# Altium PCB PLDISPLAYMASTER.PcbDoc (part 2 of 2)
Units mm, origin at the board's own origin, x right, y up, seen from the top; angles counter-clockwise.
Board outline 119 x 145 mm, 2 copper layers (Top Layer, Bottom Layer); 125 components, 100 nets, 433 pads, 175 vias.
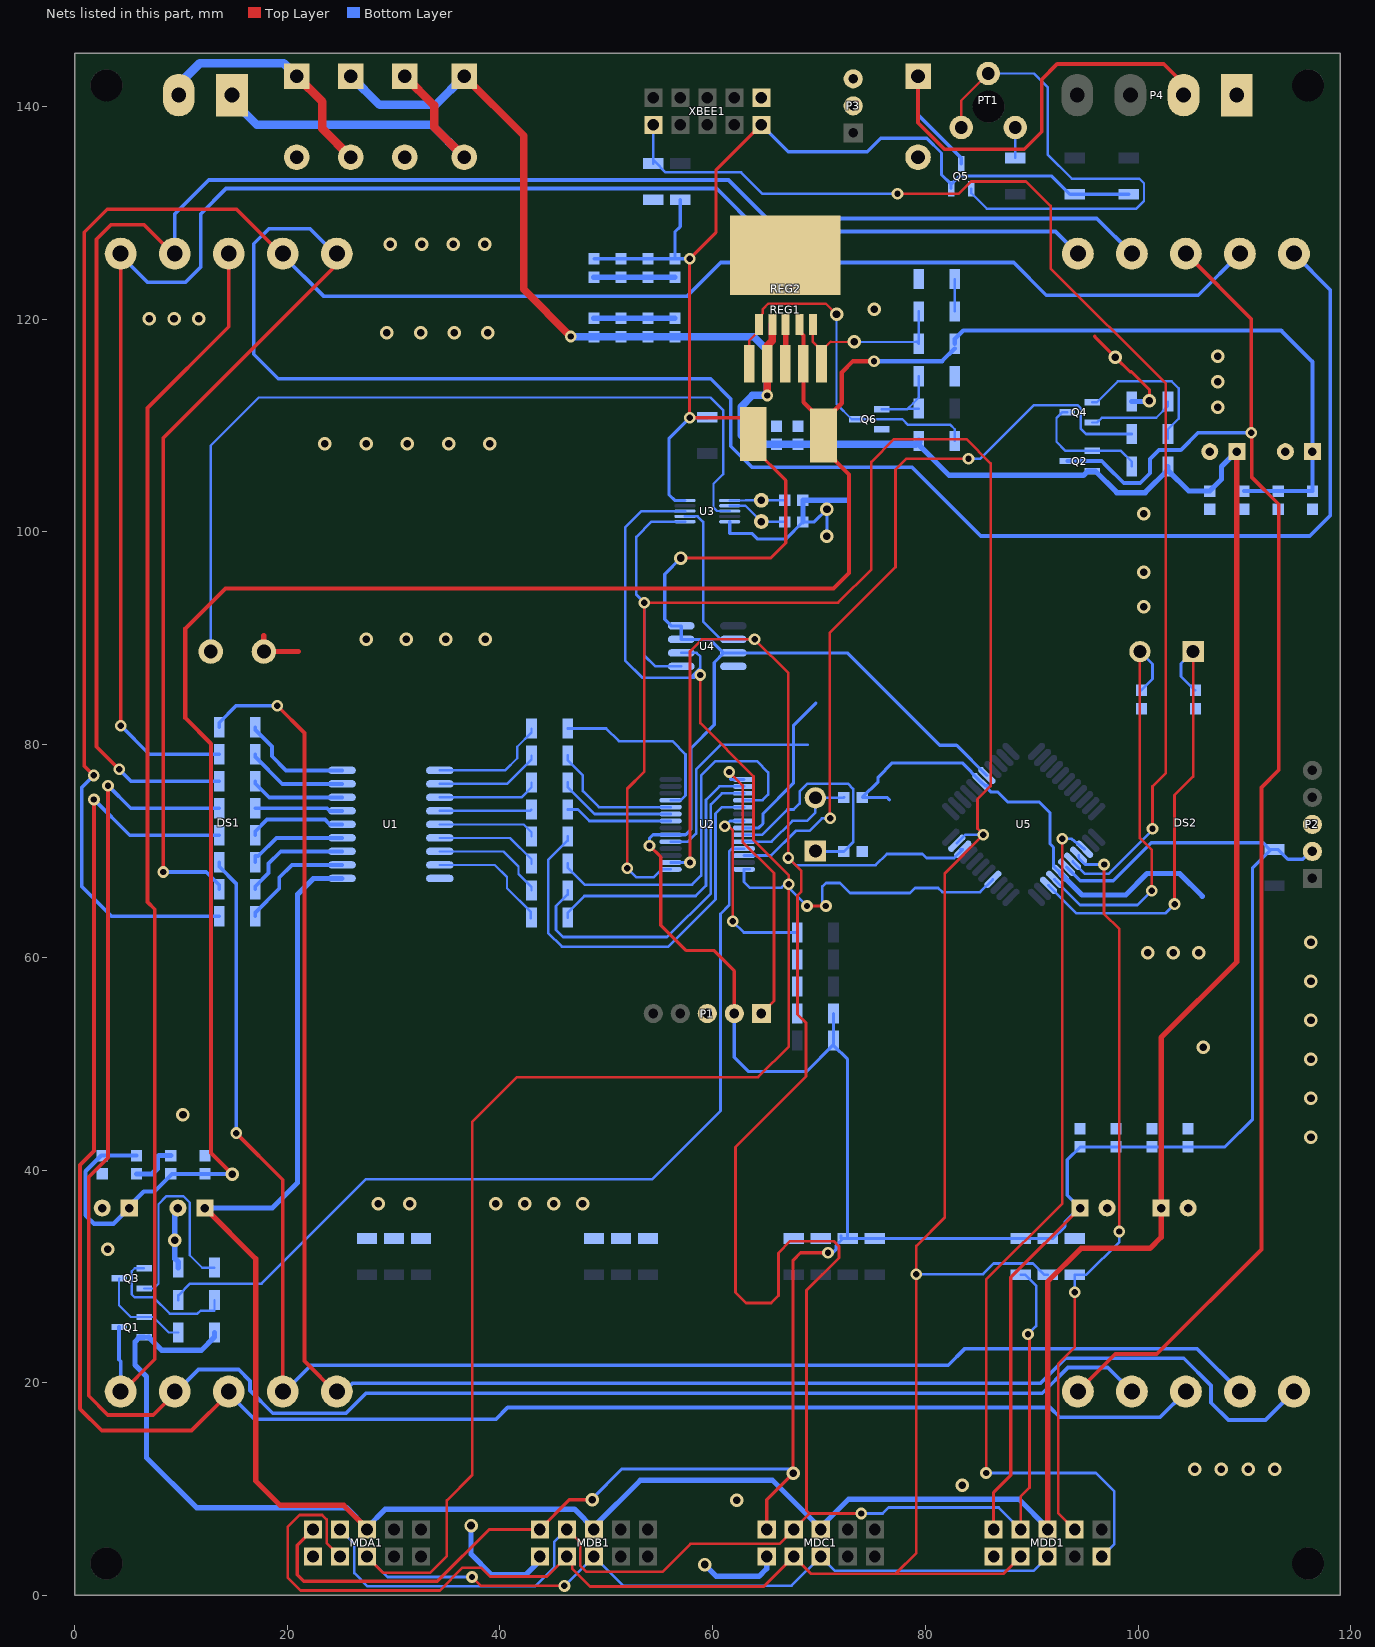
[diagram p2: the nets of this part, all layers, seen from the top]

## Via types
v1: diameter 1.1, hole 0.6, Top Layer to Bottom Layer, tented both sides, 108 vias
v2: diameter 1.27, hole 0.711, Top Layer to Bottom Layer, tented both sides, 67 vias

## Nets (pads, with @x,y where several pads share a name; then routed paths per layer and width w, separated by ;. In a path a pad name is that pad's centre, name@x,y a point inside that pad or via, vN(x,y) a via of type N, cw(c..) or ccw(c..) an arc to the next point about the centre after c; other vN are vias at no path point) (continued)
"18F RE0": MDD1.2 U5.25 | length 84.4
  Top Layer w0.25: v1(85.713,11.515) 85.713,29.701 92.876,36.864 v1(92.876,71.154)
  Bottom Layer w0.25: v1(85.713,11.515) 96.037,11.515 97.778,9.774 97.778,4.86 MDD1.2@96.584,3.666 ; v1(92.876,71.154) 93.743,71.154 U5.25@94.978,70.167
"18F RE1": MDD1.3 R44.1 U5.26 | length 69.7
  Top Layer w0.25: MDD1.3@94.044,6.206 92.495,7.755 92.495,21.783 94.062,23.35 v1(94.062,28.512) ; v1(96.806,68.736) 96.806,64.099 98.235,62.67 v1(98.235,34.222)
  Bottom Layer w0.25: v1(94.062,28.512) 94.044,28.53 R44.1@94.044,30.16 95.138,30.16 98.235,33.257 v1(98.235,34.222) ; U5.26@94.412,69.601 94.412,69.353 95.03,68.736 v1(96.806,68.736)
"18F RE2": R43.1 U5.27 XBEE1.1 | length 117.1
  Top Layer w0.25: v1(77.378,131.792) 83.139,131.792 84.299,132.952 89.47,132.952 91.778,130.644 91.778,124.788 102.613,113.953 102.613,77.33 101.359,76.076 v1(101.359,72.094)
  Bottom Layer w0.25: R43.1@54.42,134.652 R43.1@54.42,134.984 ; XBEE1.1@54.42,138.286 R43.1@54.42,134.984 ; v1(77.378,131.792) 64.711,131.792 62.687,133.816 55.588,133.816 54.586,134.818 R43.1@54.42,134.984 ; U5.27@93.846,69.035 95.03,67.852 97.218,67.852 101.359,71.993 v1(101.359,72.094)
"18F SPI SCK": MDA1.6 MDB1.6 MDC1.6 MDD1.6 U2.14 U3.8 U4.6 U5.37 | length 252.6
  Top Layer w0.25: MDA1.6@27.496,3.666 27.496,3.662 29.027,2.131 33.444,2.131 35.014,3.701 35.014,8.932 37.384,11.302 37.384,44.529 41.591,48.736 64.273,48.736 67.171,51.634 v1(67.171,66.887) 67.171,67.718 63.838,71.05 63.838,77.018 58.84,82.016 v1(58.84,86.546) ; v1(37.377,1.736) 38.215,0.897 v1(46.063,0.897) ; v1(68.873,64.829) v1(70.651,64.829)
  Bottom Layer w0.25: MDA1.6@27.496,3.666 29.426,1.736 v1(37.377,1.736) ; v1(46.063,0.897) MDB1.6@48.832,3.666 51.576,0.922 67.424,0.922 MDC1.6@70.168,3.666 71.514,2.32 90.158,2.32 MDD1.6@91.504,3.666 ; U4.6@57.05,88.629 58.484,88.629 58.84,88.273 58.84,87.232 57.9,86.292 ; U3.8@57.4,101.964 53.328,101.964 51.778,100.415 51.778,87.936 53.422,86.292 57.9,86.292 ; v1(58.84,86.546) 58.484,86.546 58.23,86.292 57.9,86.292 ; U2.14@63.462,68.275 U2.14@62.95,68.275 62.95,67.088 63.485,66.553 66.482,66.553 v1@66.815,66.887 ; v1(67.171,66.887) v1@66.815,66.887 ; v1(68.873,64.829) v1@66.815,66.887 ; v1(70.651,64.829) 70.32,65.159 70.32,66.658 70.662,67 71.971,67 72.92,66.051 78.557,66.051 79.023,66.517 81.211,66.517 81.596,66.132 85.145,66.132 U5.37@86.351,67.338
"18F SPI SDI": MDA1.8 MDB1.8 MDC1.8 MDD1.8 R41.2 U2.15 U3.6 U4.5 U5.43 | length 309.1
  Top Layer w0.25: MDA1.8@24.956,3.666 23.703,4.919 23.703,7.138 23.278,7.563 21.145,7.563 20.038,6.456 20.038,1.668 21.24,0.466 34.343,0.466 36.488,2.611 38.24,2.611 39.062,1.789 44.415,1.789 MDB1.8@46.292,3.666 ; MDB1.8@46.785,2.916 46.785,2.539 48.481,0.843 64.805,0.843 MDC1.8@67.628,3.666 69.254,2.04 77.331,2.04 ; v1(51.972,68.375) 51.972,75.854 53.567,77.449 v1(53.567,93.35) 71.784,93.35 74.925,96.491 74.925,106.589 77.057,108.721 83.88,108.721 86.149,106.452 86.149,76.12 84.898,74.869 84.898,72.096 v1(85.459,71.535) 81.827,67.903 81.827,35.543 79.149,32.865 v1(79.149,30.215) 79.149,3.981 77.208,2.04 87.339,2.041 MDD1.8@88.964,3.666
  Bottom Layer w0.25: v1(51.972,68.375) 52.829,67.518 54.431,67.518 55.188,68.275 U2.15@56.05,68.275 ; U4.5@57.05,87.359 54.615,87.359 53.567,88.407 v1(53.567,93.35) 52.82,94.097 52.82,99.535 54.249,100.964 U3.6@57.4,100.964 ; v1(79.149,30.215) 85.42,30.215 86.421,31.216 90.123,31.216 91.179,30.16 R41.2@91.504,30.16 ; U5.43@82.957,70.732 83.759,71.535 v1(85.459,71.535)
"18F SPI SDO": MDA1.7 MDB1.7 MDC1.7 MDD1.7 R37.2 U2.16 U3.7 U4.2 U5.42 | length 274.1
  Top Layer w0.25: MDB1.7@46.301,6.215 47.554,4.963 47.554,2.784 48.123,2.215 55.275,2.215 57.92,4.86 66.282,4.86 MDC1.7@67.628,6.206 69.127,7.705 ; v1(57.874,68.925) 57.874,88.781 58.992,89.899 v1(63.945,89.899) 67.12,86.724 v1(67.12,69.35) 68.318,68.152 68.318,66.158 67.984,65.824 67.984,54.644 68.775,53.852 68.775,48.791 62.156,42.172 62.156,28.503 63.156,27.503 65.501,27.503 66.186,28.188 66.186,32.198 67.296,33.308 71.389,33.308 71.875,32.822 71.875,31.74 68.833,28.698 68.833,7.998 69.127,7.705 ; v1(73.978,7.705) 69.127,7.705 ; MDD1.7@88.964,6.206 88.964,9.302 89.799,10.137 89.799,24.421 v1(89.65,24.57)
  Bottom Layer w0.25: MDA1.7@24.956,6.206 26.302,4.86 26.302,2.117 27.558,0.861 43.309,0.861 45.098,2.65 45.098,5.012 MDB1.7@46.292,6.206 ; U2.16@56.05,68.925 v1(57.874,68.925) ; U3.7@57.4,101.464 58.573,101.464 59.104,100.933 59.104,91.573 60.778,89.899 U4.2@61.95,89.899 v1(63.945,89.899) ; v1(67.12,69.35) 67.806,68.665 75.324,68.665 76.377,69.717 79.739,69.717 80.107,69.349 82.705,69.349 U5.42@83.522,70.167 U5.42@83.275,70.167 ; v1(73.978,7.705) 75.985,7.705 76.55,8.27 86.9,8.27 MDD1.7@88.964,6.206 ; R37.2@88.964,30.16 89.38,30.16 90.417,29.123 90.417,25.337 v1(89.65,24.57)
+5VDC: C10.1 C11.2 C12.2 C13.2 C14.2 C15.2 C16.2 C17.2 C18.2 L1.2 MDA1.9 MDB1.9 MDC1.9 MDD1.9 P1.2 P2.2 Q5.2 R23.2 R24.2 R26.2 R28.2 R30.2 R31.2 R33.2 R37.1 R38.1 R39.1 R41.1 U2.20 U3.10 U4.3 U4.7 U4.8 U5.7 U5.28 XBEE1.9 | length 475.1
  Top Layer w0.25: L1.2@63.337,111.019 63.818,111.019 63.818,110.744 L1.2@63.818,109.203 ; XBEE1.9@64.577,138.286 XBEE1.9@64.58,138.286
  Top Layer w0.3: MDA1.9@22.416,6.206 20.943,4.733 20.943,1.953 21.553,1.343 34.113,1.343 38.976,6.206 MDB1.9@43.752,6.206 43.728,6.206 46.52,8.998 v2(48.663,8.998) ; v1(54.064,70.509) 55.129,69.444 55.129,63.011 57.49,60.65 60.122,60.65 62.04,58.732 P1.2@62.04,54.72 ; v2(57.013,97.551) 65.46,97.551 66.867,98.958 66.867,104.85 63.818,107.899 L1.2@63.818,109.203 ; v1@57.836,125.693 v1(57.836,110.744) L1.2@63.818,110.744 ; v1(57.852,125.693) 60.311,128.152 60.311,134.02 XBEE1.9@64.577,138.286 ; MDC1.9@65.088,6.206 65.088,8.994 v2(67.566,11.472) 67.566,31.531 68.266,32.231 v1(70.844,32.231) ; MDD1.9@86.424,6.206 86.424,9.695 88.039,11.31 88.039,29.919 C10.1@94.552,36.432
  Bottom Layer w0.25: U4.3@61.054,88.629 U4.3@61.95,88.629 ; R24.2@71.36,51.739 R24.2@71.36,52.18 ; R33.2@72.073,33.833 72.073,33.56 72.581,33.56 R33.2@72.262,33.56 ; R41.1@91.877,33.56 R41.1@92.008,33.56 ; C10.1@94.404,36.432 C10.1@94.552,36.432 ; R26.2@112.4,70.136 R26.2@113.177,70.136 ; P2.2@116.235,69.96 P2.2@116.396,69.96
  Bottom Layer w0.3: v2(48.663,8.998) 48.663,9.098 51.451,11.886 67.152,11.886 v2(67.566,11.472) ; C14.2@48.832,125.689 C11.2@56.452,125.689 ; v1(54.064,70.509) 54.064,71.199 54.39,71.525 U2.20@56.05,71.525 57.457,71.525 57.962,72.03 57.962,79.68 60.155,81.873 60.155,87.73 U4.3@61.054,88.629 ; R38.1@56.96,131.252 56.96,128.71 56.452,128.202 C11.2@56.452,125.689 ; v2(57.013,97.551) 55.495,96.033 55.495,91.784 56.11,91.169 U4.8@57.05,91.169 U4.7@57.05,89.899 59.718,89.899 60.988,88.629 U4.3@61.95,88.629 72.653,88.629 81.343,79.939 82.942,79.939 U5.7@85.785,77.096 ; U3.10@57.4,102.964 56.426,102.964 55.91,103.48 55.91,108.818 v1(57.836,110.744) 59.468,110.744 R39.1@59.5,110.776 ; v1(57.852,125.693) 57.848,125.689 C11.2@56.452,125.689 ; P1.2@62.04,54.72 62.04,50.594 63.355,49.279 68.874,49.279 71.36,51.765 R23.2@71.36,54.72 ; XBEE1.9@64.58,138.286 67.108,135.758 74.531,135.758 75.793,137.02 80.134,137.02 81.52,135.634 81.52,133.585 82.426,132.679 Q5.2@82.426,132.285 82.426,132.689 83.197,133.46 91.893,133.46 93.593,131.76 R30.2@99.124,131.76 ; v1(70.844,32.231) 71.287,32.231 71.622,32.566 71.622,32.92 R33.2@72.262,33.56 ; R24.2@71.36,51.739 72.692,50.407 R33.2@72.692,33.564 ; R33.2@72.581,33.56 R31.2@75.248,33.56 R37.1@88.964,33.56 R41.1@91.504,33.56 ; R41.1@92.008,33.56 93.132,34.684 93.132,35.16 C10.1@94.404,36.432 ; U5.28@93.281,68.469 94.55,67.2 97.666,67.2 101.243,70.777 111.759,70.777 R26.2@112.4,70.136 ; C10.1@94.552,36.432 93.345,37.639 93.345,40.964 C15.2@94.552,42.171 108.17,42.171 110.772,44.773 110.772,68.443 R26.2@112.465,70.136 ; R26.2@113.177,70.136 114.095,69.218 115.493,69.218 P2.2@116.235,69.96
+12VDC: C1.1 C2.2 C3.2 C4.2 C5.2 C6.2 C7.2 C8.2 C9.2 C34.1 C35.1 C36.2 D3.2 D5.2 MDA1.5 MDB1.5 MDC1.5 MDD1.5 Q1.2 Q2.2 R1.2 R2.2 R51.2 REG1.2 REG2.2 U1.10 | length 441.5
  Top Layer w0.4: MDA1.5@27.496,6.206 MDA1.5@27.496,6.29 ; REG1.2@65.13,115.811 REG1.2@65.13,117.504
  Top Layer w0.5: C1.1@12.256,36.432 17.031,31.657 17.031,10.785 19.34,8.476 25.31,8.476 MDA1.5@27.496,6.29 ; MDD1.5@91.504,6.206 91.504,29.497 94.644,32.637 101.129,32.637 102.172,33.68 C34.1@102.172,36.432 102.172,52.447 109.284,59.559 C35.1@109.284,107.552
  Top Layer w0.7: D5.2@36.64,142.858 42.221,137.277 42.221,122.804 v1(46.65,118.375) ; v1(65.13,112.835) REG1.2@65.13,115.811 ; REG1.2@65.13,117.504 65.615,117.99 REG2.2@65.615,119.5
  Bottom Layer w0.4: Q1.2@6.538,24.288 Q1.2@6.973,24.288 ; MDC1.5@70.168,6.206 MDC1.5@70.168,6.282
  Bottom Layer w0.5: Q1.2@6.538,24.288 6.122,24.288 5.682,23.848 5.682,21.676 6.773,20.585 6.773,12.948 11.464,8.257 25.578,8.257 27.473,6.362 29.222,8.111 47.013,8.111 48.955,6.169 48.955,6.577 53.207,10.829 65.624,10.829 MDC1.5@70.168,6.285 ; Q1.2@6.973,24.288 8.214,23.047 11.912,23.047 13.159,24.294 R1.2@13.159,24.73 ; C1.1@12.256,36.432 18.588,36.432 20.965,38.809 20.965,65.926 22.459,67.42 U1.10@25.15,67.42 ; MDC1.5@70.168,6.206 70.168,6.433 72.78,9.045 88.801,9.045 91.504,6.342 MDD1.5@91.504,6.206 ; R51.2@79.369,108.549 79.369,108.206 82.25,105.325 94.875,105.325 95.272,105.722 Q2.2@95.691,105.722 95.978,105.722 98.007,103.693 100.666,103.693 102.82,105.847 R2.2@102.82,106.164 ; R2.2@102.82,105.793 104.768,103.845 C36.2@106.744,103.845 107.854,104.955 107.854,106.149 109.257,107.552 C35.1@109.284,107.552
  Bottom Layer w0.7: v1@46.65,118.371 63.854,118.371 65.13,117.095 v1(65.13,112.835) 63.735,112.835 62.691,111.791 62.691,109.107 63.57,108.228 79.103,108.228 79.369,108.494 R51.2@79.369,108.549
  Bottom Layer w0.8: D3.2@25.972,142.858 28.68,140.15 33.932,140.15 D5.2@36.64,142.858
"AC DISPLAY 1": DS1.1 DS1.8 Q1.1 | length 118.1
  Top Layer w0.35: DS1.1@4.34,19 7.545,22.205 7.545,64.522 6.857,65.21 6.857,111.663 14.5,119.306 DS1.8@14.5,126
  Bottom Layer w0.35: Q1.1@4.188,25.238 4.188,22.182 4.34,22.03 DS1.1@4.34,19
"AC DISPLAY 2": DS2.1 DS2.8 Q2.1 | length 141.6
  Top Layer w0.35: DS2.1@94.34,19.175 97.864,22.699 101.763,22.699 111.603,32.539 111.603,75.967 113.241,77.605 113.241,102.601 110.681,105.161 v1@110.681,109.341 ; DS2.8@104.5,126.175 110.65,120.025 v1(110.65,109.341)
  Bottom Layer w0.35: Q2.1@93.341,106.672 96.579,106.672 96.991,106.26 ; 96.991,106.259 98.65,104.6 100.211,104.6 101.131,105.52 101.131,106.856 101.979,107.704 104.029,107.704 105.666,109.341 v1(110.65,109.341)
"BUZZER SPK": D1.2 P4.2 Q5.1 | length 48.3
  Top Layer w0.35: D1.2@79.312,142.858 79.312,138.478 81.812,135.978 89.3,135.978 90.95,137.628 90.95,142.558 92.391,143.999 102.428,143.999 104.284,142.143 P4.2@104.284,141.08
  Bottom Layer w0.35: D1.2@79.312,142.858 79.312,139.235 83.376,135.171 Q5.1@83.376,134.635
"DISP NUM 1": R3.1 U2.11 | length 84.8
  Bottom Layer w0.25: R3.1@9.759,27.778 9.759,28.227 10.857,29.325 17.574,29.325 27.399,39.15 54.326,39.15 60.745,45.569 60.745,64.088 61.557,64.9 61.557,69.96 61.822,70.225 U2.11@62.95,70.225
"DISP NUM 2": R4.1 U2.12 | length 72.3
  Top Layer w0.25: v1(71.047,73.078) 71.047,72.896 71.006,72.856 71.006,90.507 77.19,96.691 77.19,105.875 78.207,106.892 v1(84.062,106.892)
  Bottom Layer w0.25: U2.12@62.95,69.575 65.5,69.575 67.815,71.89 69.101,71.89 70.289,73.078 v1(71.047,73.078) ; v1(84.062,106.892) 85.179,106.892 90.209,111.921 94.323,111.921 94.628,111.616 94.628,109.696 95.112,109.212 R4.1@99.42,109.212
"DISPLAY A": DS1.7 DS2.7 R22.2 | length 193.6
  Top Layer w0.35: v1(1.805,77.108) 0.915,77.998 0.915,128.19 3.077,130.352 15.228,130.352 DS1.7@19.58,126
  Bottom Layer w0.35: v1(1.805,77.108) 0.674,75.977 0.674,66.665 3.475,63.864 R22.2@13.604,63.864 ; DS1.7@19.58,126 23.405,122.175 57.612,122.175 60.769,125.332 88.304,125.332 91.379,122.257 105.662,122.257 DS2.7@109.58,126.175
"DISPLAY B": DS1.6 DS2.6 R20.2 | length 228.5
  Top Layer w0.35: v1(8.336,68.023) 8.336,108.832 24.66,125.156 DS1.6@24.66,126
  Bottom Layer w0.35: v1(8.336,68.023) 12.375,68.023 13.604,66.794 R20.2@13.604,66.404 ; DS1.6@24.66,126 22.159,128.501 18.253,128.501 16.845,127.093 16.845,116.716 19.153,114.408 59.816,114.408 61.711,112.513 61.711,108.06 63.692,106.079 78.757,106.079 85.213,99.623 116.151,99.623 118.07,101.542 118.07,122.765 DS2.6@114.66,126.175
"DISPLAY C": DS1.4 DS2.4 R18.2 | length 145.8
  Top Layer w0.35: v1(15.192,43.478) 15.185,43.478 19.58,39.083 DS1.4@19.58,19
  Bottom Layer w0.35: R18.2@13.604,68.944 13.604,68.545 15.192,66.957 v1(15.192,43.478) ; DS1.4@19.58,19 22.225,21.645 82.15,21.645 83.692,23.187 105.568,23.187 DS2.4@109.58,19.175
"DISPLAY D": DS1.3 DS2.3 R16.2 | length 180.1
  Top Layer w0.35: v1(1.823,74.843) 1.823,41.785 0.521,40.483 0.521,17.544 2.564,15.501 11.001,15.501 DS1.3@14.5,19
  Bottom Layer w0.35: v1(1.823,74.843) 5.182,71.484 R16.2@13.604,71.484 ; DS1.3@14.5,19 16.925,16.575 39.628,16.575 40.722,17.669 91.713,17.669 92.629,16.753 102.078,16.753 DS2.3@104.5,19.175
"DISPLAY DP": DS1.5 DS2.5 R8.2 | length 169.3
  Top Layer w0.35: v1(19.061,83.651) 21.618,81.094 21.618,22.042 DS1.5@24.66,19
  Bottom Layer w0.35: R8.2@13.604,81.644 13.604,82.068 15.187,83.651 v1(19.061,83.651) ; DS1.5@24.66,19 25.186,19 26.133,19.947 90.825,19.947 93.19,22.312 104.291,22.312 106.87,19.733 106.87,18.121 108.499,16.492 111.977,16.492 DS2.5@114.66,19.175
"DISPLAY E": DS1.2 DS2.2 R14.2 | length 175
  Top Layer w0.35: v1(3.15,76.149) 3.15,41.161 1.334,39.345 1.334,18.769 3.13,16.973 7.393,16.973 DS1.2@9.42,19
  Bottom Layer w0.35: v1(3.15,76.149) 5.275,74.024 R14.2@13.604,74.024 ; DS1.2@9.42,19 11.663,21.243 15.431,21.243 16.498,20.176 16.498,19.262 18.634,17.125 25.516,17.125 27.399,19.008 90.997,19.008 93.423,21.434 97.161,21.434 DS2.2@99.42,19.175
"DISPLAY F": DS1.9 DS2.9 R12.2 | length 167.8
  Top Layer w0.35: v1(4.207,77.675) 2.071,79.811 2.071,127.516 3.435,128.881 6.539,128.881 DS1.9@9.42,126
  Bottom Layer w0.35: v1(4.207,77.675) 5.318,76.564 R12.2@13.604,76.564 ; DS1.9@9.42,126 9.42,129.895 12.624,133.099 61.487,133.099 65.117,129.469 96.126,129.469 DS2.9@99.42,126.175
"DISPLAY G": DS1.10 DS2.10 R10.2 | length 154.7
  Top Layer w0.35: v1(4.34,81.791) DS1.10@4.34,126
  Bottom Layer w0.35: v1(4.34,81.791) 7.027,79.104 R10.2@13.604,79.104 ; DS1.10@4.34,126 6.864,123.476 10.432,123.476 11.869,124.913 11.869,129.905 14.25,132.286 60.381,132.286 64.404,128.263 92.252,128.263 DS2.10@94.34,126.175
"DS1390 VBACKUP": BT1.1 U3.3 | length 81.1
  Bottom Layer w0.22: BT1.1@12.804,88.756 12.804,108.12 17.326,112.642 59.813,112.642 60.988,111.467 60.988,105.433 60.088,104.533 60.088,102.29 60.414,101.964 U3.3@61.6,101.964
"DS1390 X1": C21.1 U3.2 Y2.2 | length 5.8
  Bottom Layer w0.22: U3.2@61.6,102.464 63.096,102.464 Y2.2@64.58,100.98 64.612,100.948 C21.1@66.763,100.948
"DS1390 X2": C22.1 U3.1 Y2.1 | length 5.2
  Bottom Layer w0.22: U3.1@61.6,102.964 63.097,102.964 63.113,102.98 Y2.1@64.58,102.98 C22.1@66.763,102.98
"EN DISPLY": R23.1 R45.2 R46.2 R47.2 U2.7 | length 25.6
  Top Layer w0.25: v1(61.151,72.322) 61.557,72.322 61.888,71.992 v1(61.888,63.381)
  Bottom Layer w0.25: v1(61.151,72.322) 61.654,72.825 U2.7@62.95,72.825 ; v1(61.888,63.381) 62.929,62.34 R47.2@67.96,62.34 R46.2@67.96,59.8 R45.2@67.96,57.26 R23.1@67.96,54.72
GND: BT1.2 C1.2 C2.1 C3.1 C4.1 C5.1 C6.1 C7.1 C8.1 C9.1 C10.2 C11.1 C12.1 C13.1 C14.1 C15.1 C16.1 C17.1 C18.1 C19.2 C20.2 C21.2 C22.2 C23.2 C24.2 C25.2 C26.1 C27.1 C28.1 C29.1 C30.1 C31.1 C32.2 C33.1 C34.2 C35.2 C36.1 D1.1 D2.1 D4.1 MDA1.10 MDB1.10 MDC1.10 MDD1.10 P1.3 P2.3 P3.2 P3.3 P4.1 Q6.2 R5.1 R6.1 R25.2 R27.2 R29.2 R34.2 R35.2 R36.2 R40.2 R42.2 R43.2 R44.2 R50.1 R53.2 REG1. REG1.3 REG2. REG2.3 U1.9 U2.8 U2.19 U3.5 U4.4 U5.6 U5.29 XBEE1.10 | length 164.4
  Top Layer w0.3: 95.936,118.396 95.936,118.373 v2(97.875,116.434) 99.242,115.067 99.383,115.067 101.074,113.376 v2(101.074,112.356)
  Top Layer w0.5: 17.804,90.239 BT1.2@17.804,88.756 21.061,88.756 ; REG1.@66.832,115.811 66.86,115.839 REG2.@66.86,119.5
  Bottom Layer w0.25: U2.19@56.05,70.875 57.67,70.875 58.444,71.649 58.444,77.662 60.783,80.001 68.917,80.001
  Bottom Layer w0.3: U3.5@61.6,100.964 61.6,99.847 63.727,99.847 64.244,99.33 66.875,99.33 C21.2@68.493,100.948 69.566,100.948 v2(70.752,102.134) 70.752,99.638 v2(70.723,99.609) ; U2.8@62.95,72.175 64.334,72.175 64.733,72.574 64.733,73.519 67.589,76.375 67.589,81.796 69.699,83.905 ; 76.623,74.815 76.398,75.04 C19.2@74.081,75.04 75.561,76.52 75.561,76.953 76.89,78.282 83.468,78.282 U5.6@85.219,76.531 85.619,76.131 85.832,76.131 85.832,75.885 86.158,75.559 86.785,75.559 87.732,74.612 90.719,74.612 91.719,73.612 91.719,70.669 92.047,70.341 92.047,68.572 U5.29@92.715,67.904
  Bottom Layer w0.5: C27.1@5.821,39.631 7.3,39.631 7.764,40.095 7.764,41.184 7.94,41.361 C28.1@9.039,41.361 ; C1.2@9.716,36.432 9.435,36.151 v2(9.435,33.418) 9.435,31.665 9.759,31.341 R5.1@9.759,30.826 ; v2(37.28,6.575) 37.28,3.881 39.223,1.938 42.412,1.938 43.752,3.278 MDB1.10@43.752,3.666 ; C9.1@48.832,120.101 C8.1@51.372,120.101 C7.1@53.912,120.101 C6.1@56.452,120.101 ; C14.1@48.832,123.959 C13.1@51.372,123.959 C12.1@53.912,123.959 C11.1@56.452,123.959 ; v2(59.24,2.909) 60.352,1.797 64.362,1.797 65.088,2.523 MDC1.10@65.088,3.666 ; C21.2@68.493,100.948 C22.2@68.493,102.98 72.518,102.98 ; U5.29@92.715,67.904 94.748,65.871 98.848,65.871 100.859,67.882 103.908,67.882 106.044,65.746 ; R6.1@99.42,112.26 100.978,112.26 v2(101.074,112.356)
  other v2: 62.253,8.935 83.461,10.353 105.32,11.864 107.836,11.864 110.351,11.864 112.867,11.864 3.109,32.549 28.557,36.848 31.509,36.848 39.613,36.848 42.33,36.848 45.048,36.848 47.765,36.848 116.262,43.087 10.197,45.214 116.262,46.757 116.262,50.427 106.121,51.568 116.262,54.097 116.262,57.767 100.931,60.423 103.315,60.423 105.699,60.423 116.262,61.437 27.448,89.925 31.176,89.925 34.903,89.925 38.631,89.925 100.534,92.97 100.534,96.205 100.534,101.714 23.526,108.277 27.41,108.277 31.294,108.277 35.178,108.277 39.062,108.277 107.486,111.731 107.486,114.129 107.486,116.527 29.372,118.726 32.536,118.726 35.699,118.726 38.863,118.726 7.02,120.047 9.354,120.047 11.688,120.047 75.178,120.935 29.666,127.058 32.639,127.058 35.613,127.058 38.586,127.058
"MCLR 16F": P1.1 U2.1 | length 27
  Top Layer w0.25: v1(61.557,77.428) 62.821,76.164 62.821,70.858 65.768,67.911 65.768,55.908 P1.1@64.58,54.72
  Bottom Layer w0.25: v1(61.557,77.428) 61.684,77.301 61.684,76.725 U2.1@62.95,76.725
NetD2_2: D2.2 D3.1 P5.2 | length 23.2
  Top Layer w0.8: D2.2@20.892,142.858 23.3,140.45 23.3,137.91 D3.1@25.972,135.238
  Bottom Layer w0.8: P5.2@9.796,141.08 9.796,142.096 11.773,144.073 19.677,144.073 D2.2@20.892,142.858
NetD4_2: D4.2 D5.1 P5.1 | length 34.5
  Top Layer w0.8: D4.2@31.052,142.858 33.8,140.11 33.8,138.078 D5.1@36.64,135.238
  Bottom Layer w0.8: P5.1@14.796,141.08 14.796,140.629 17.125,138.3 33.578,138.3 D5.1@36.64,135.238
NetPT1_1: PT1.1 PT1.3 Q5.3 | length 48
  Top Layer w0.22: PT1.1@83.376,138.032 83.376,140.572 PT1.3@85.916,143.112
  Bottom Layer w0.22: Q5.3@84.326,132.285 84.326,131.86 85.782,130.404 99.853,130.404 100.563,131.114 100.563,132.783 100.121,133.225 93.771,133.225 91.5,135.496 91.5,141.843 90.231,143.112 PT1.3@85.916,143.112
NetPT1_2: PT1.2 R32.2 | length 2.9
  Bottom Layer w0.22: R32.2@88.456,135.16 PT1.2@88.456,138.032
NetQ1_3: Q1.3 Q3.1 R1.1 | length 9.2
  Bottom Layer w0.22: Q3.1@4.188,29.81 4.179,29.81 4.179,27.288 5.279,26.188 Q1.3@6.538,26.188 7.405,26.188 8.863,24.73 R1.1@9.759,24.73
NetQ2_3: Q2.3 Q4.1 R2.1 | length 11.8
  Bottom Layer w0.22: Q4.1@93.341,111.244 92.852,111.244 92.327,110.719 92.327,108.477 93.182,107.622 Q2.3@95.691,107.622 98.403,107.622 99.42,106.605 R2.1@99.42,106.164
NetQ3_2: Q3.2 R5.2 | length 20.3
  Bottom Layer w0.22: Q3.2@6.538,28.86 7.43,28.86 7.887,29.317 7.887,36.782 8.655,37.55 10.224,37.55 10.834,36.94 10.834,31.987 12.002,30.819 13.159,30.819 R5.2@13.159,30.826
NetQ3_3: Q3.3 R3.2 | length 13.1
  Bottom Layer w0.22: Q3.3@6.538,30.76 5.652,30.76 5.373,30.481 5.373,28.304 5.652,28.025 7.43,28.025 8.954,26.501 11.56,26.501 11.839,26.78 13.159,26.78 R3.2@13.159,27.778
NetQ4_2: Q4.2 R6.2 | length 8.2
  Bottom Layer w0.22: Q4.2@95.691,110.294 96.155,110.294 96.6,110.739 101.708,110.739 102.82,111.851 R6.2@102.82,112.26
NetQ4_3: Q4.3 R4.2 | length 14.4
  Bottom Layer w0.22: Q4.3@95.695,112.194 Q4.3@95.691,112.194 96.134,112.194 98.098,114.158 103.177,114.158 103.813,113.522 103.813,110.645 102.82,109.652 R4.2@102.82,109.212 R4.2@102.82,108.746
NetQ6_3: Q6.3 R52.1 R53.1 | length 9.4
  Bottom Layer w0.22: R52.1@79.369,111.597 78.343,111.597 ; R53.1@79.369,114.645 79.369,112.623 78.856,112.11 78.343,111.597 ; 78.343,111.597 Q6.3@75.915,111.55 78.296,111.55 78.343,111.597
NetR7_2: R7.2 U1.1 | length 11.1
  Bottom Layer w0.22: U1.1@34.35,77.58 40.479,77.58 41.62,78.721 41.62,79.796 42.966,81.142 R7.2@42.966,81.521
NetR8_1: R8.1 U1.18 | length 10.5
  Bottom Layer w0.35: R8.1@17.004,81.644 17.004,81.378 18.565,79.817 18.565,78.902 19.887,77.58 U1.18@25.15,77.58
NetR9_2: R9.2 U1.2 | length 9.9
  Bottom Layer w0.22: U1.2@34.35,76.31 40.676,76.31 42.966,78.6 R9.2@42.966,78.981
NetR10_1: R10.1 U1.17 | length 9.5
  Bottom Layer w0.35: R10.1@17.004,79.104 17.004,78.84 19.534,76.31 U1.17@25.15,76.31
NetR11_2: R11.2 U1.3 | length 9.5
  Bottom Layer w0.22: U1.3@34.35,75.04 42.018,75.04 42.966,75.988 R11.2@42.966,76.441
NetR12_1: R12.1 U1.16 | length 8.9
  Bottom Layer w0.35: R12.1@17.004,76.564 17.004,76.334 18.298,75.04 U1.16@25.15,75.04
NetR13_2: R13.2 U1.4 | length 8.7
  Bottom Layer w0.22: U1.4@34.35,73.77 42.835,73.77 R13.2@42.966,73.901
NetR14_1: R14.1 U1.15 | length 8.3
  Bottom Layer w0.35: R14.1@17.004,74.024 23.735,74.024 23.989,73.77 U1.15@25.15,73.77
NetR15_2: R15.2 U1.5 | length 9.3
  Bottom Layer w0.22: U1.5@34.35,72.5 42.239,72.5 42.966,71.773 R15.2@42.966,71.361
NetR16_1: R16.1 U1.14 | length 9.2
  Bottom Layer w0.35: R16.1@17.004,71.484 17.004,71.866 18.099,72.961 23.545,72.961 24.006,72.5 U1.14@25.15,72.5
NetR17_2: R17.2 U1.6 | length 9.9
  Bottom Layer w0.22: U1.6@34.35,71.23 40.955,71.23 42.966,69.219 R17.2@42.966,68.817
NetR18_1: R18.1 U1.13 | length 9.4
  Bottom Layer w0.35: R18.1@17.004,68.944 17.004,69.529 17.279,69.529 18.98,71.23 U1.13@25.15,71.23
NetR19_2: R19.2 U1.7 | length 10.8
  Bottom Layer w0.22: U1.7@34.35,69.96 40.333,69.96 41.744,68.549 41.744,67.835 42.966,66.613 R19.2@42.966,66.281
NetR20_1: R20.1 U1.12 | length 10.3
  Bottom Layer w0.35: R20.1@17.004,66.404 17.004,66.695 18.246,67.937 18.246,68.826 19.38,69.96 U1.12@25.15,69.96
NetR21_2: R21.2 U1.8 | length 11.6
  Bottom Layer w0.22: U1.8@34.35,68.69 39.517,68.69 40.663,67.544 40.663,66.503 42.913,64.253 R21.2@42.913,63.687
NetR22_1: R22.1 U1.11 | length 11
  Bottom Layer w0.35: R22.1@17.004,63.864 17.004,64.218 19.252,66.466 19.252,67.504 20.438,68.69 U1.11@25.15,68.69
NetR48_1: R48.1 R49.2 REG1.5 REG2.5 | length 17.9
  Top Layer w0.22: REG2.5@69.425,119.5 69.425,117.871 70.236,117.06 REG1.5@70.236,115.811 70.236,117.025 71.107,117.897 71.136,117.868 v2(73.311,117.868)
  Bottom Layer w0.22: v2(73.311,117.868) 79.136,117.868 79.165,117.897 R48.1@79.369,117.693 79.369,119.522 R49.2@79.369,120.741
NetR49_1: R49.1 R50.2 | length 3
  Bottom Layer w0.22: R49.1@82.769,120.741 R50.2@82.769,123.789
"ON_OFF MIC29302": Q6.1 R51.1 REG1.1 REG2.1 | length 34.9
  Top Layer w0.22: REG1.1@63.428,115.811 63.428,117.978 64.345,118.896 REG2.1@64.345,119.5 64.345,120.181 64.725,120.561 64.725,120.956 65.238,121.469 70.637,121.469 v2(71.647,120.459)
  Bottom Layer w0.22: v2(71.647,120.459) 71.647,112.033 73.08,110.6 Q6.1@73.565,110.6 77.839,110.6 78.372,110.067 82.36,110.067 82.769,109.658 R51.1@82.769,108.549
"OSC1 16F": C20.1 U2.9 Y1.1 | length 22.1
  Bottom Layer w0.25: U2.9@62.95,71.525 64.651,71.525 67.022,73.896 67.625,73.896 68.179,74.45 68.179,75.607 68.907,76.335 72.708,76.335 73.216,75.827 73.216,70.825 C20.1@72.351,69.96 69.7,69.96 Y1.1@69.66,70
"OSC1 18F": C23.1 U5.30 Y3.2 | length 38.2
  Top Layer w0.25: Y3.2@100.165,88.756 100.165,71.206 101.297,70.074 v1(101.297,66.272)
  Bottom Layer w0.25: U5.30@92.149,67.338 94.558,64.929 99.954,64.929 v1(101.297,66.272) ; Y3.2@100.18,88.756 101.355,87.581 101.355,86.167 C23.1@100.313,85.125
"OSC2 16F": C19.1 U2.10 Y1.2 | length 11.9
  Bottom Layer w0.25: U2.10@62.95,70.875 65.536,70.875 67.495,72.834 68.853,72.834 69.66,73.641 Y1.2@69.66,75 72.311,75 C19.1@72.351,75.04
"OSC2 18F": C24.1 U5.31 Y3.1 | length 42.5
  Top Layer w0.25: v1(103.435,65.01) 103.435,75.263 105.18,77.008 Y3.1@105.18,88.756
  Bottom Layer w0.25: U5.31@91.583,66.772 94.221,64.135 102.56,64.135 v1(103.435,65.01) ; Y3.1@105.18,88.756 104.036,87.612 104.036,86.402 105.313,85.125 C24.1@105.393,85.125
"U DISPLAY A": R21.1 U2.2 | length 26.7
  Bottom Layer w0.25: R21.1@46.366,63.741 46.366,64.191 47.938,65.763 58.402,65.763 59.375,66.736 59.375,74.813 60.637,76.075 U2.2@62.95,76.075
"U DISPLAY B": R19.1 U2.3 | length 32.6
  Bottom Layer w0.25: R19.1@46.366,66.281 46.366,65.899 45.275,64.808 45.275,62.585 45.944,61.916 55.714,61.916 59.825,66.027 59.825,74.386 60.864,75.425 U2.3@62.95,75.425
"U DISPLAY C": R17.1 U2.4 | length 35.3
  Bottom Layer w0.25: R17.1@46.366,68.821 46.366,68.44 47.973,66.833 58.078,66.833 58.925,67.68 58.925,77.101 60.275,78.451 64.165,78.451 65.219,77.397 65.219,75.299 64.695,74.775 U2.4@62.95,74.775
"U DISPLAY D": R15.1 U2.5 | length 39
  Bottom Layer w0.25: R15.1@46.366,71.361 46.366,70.989 44.528,69.151 44.528,62.293 45.82,61.001 55.828,61.001 60.275,65.448 60.275,73.531 60.869,74.125 U2.5@62.95,74.125
"U DISPLAY DP": R7.1 U2.25 | length 17.5
  Bottom Layer w0.25: R7.1@46.366,81.521 49.99,81.521 51.187,80.324 56.204,80.324 57.443,79.085 57.443,75.215 57.003,74.775 U2.25@56.05,74.775
"U DISPLAY E": R13.1 U2.22 | length 10.1
  Bottom Layer w0.25: R13.1@46.366,73.901 47.332,73.901 48.408,72.825 U2.22@56.05,72.825
"U DISPLAY F": R11.1 U2.23 | length 11.2
  Bottom Layer w0.25: R11.1@46.366,76.441 46.366,76.021 48.912,73.475 U2.23@56.05,73.475
"U DISPLAY G": R9.1 U2.24 | length 12.8
  Bottom Layer w0.25: R9.1@46.366,78.981 46.366,78.553 47.797,77.122 47.797,75.638 49.31,74.125 U2.24@56.05,74.125
"VOUT REG": C25.1 C26.2 C27.2 C28.2 C29.2 C30.2 C31.2 C32.1 C33.2 L1.1 R48.2 REG1.4 REG2.4 | length 240.7
  Top Layer w0.4: v2(14.813,39.622) 12.834,41.601 12.834,80.081 10.418,82.497 10.418,90.913 14.183,94.678 71.361,94.678 72.829,96.146 72.829,105.411 70.422,107.818 L1.1@70.422,109.076 ; REG2.4@68.155,119.5 68.155,118.847 68.534,118.468 REG1.4@68.534,115.811 68.534,112.199 L1.1@70.293,110.44 ; L1.1@70.062,108.228 70.062,110.034 72.137,112.109 72.137,115.006 73.192,116.061 v1(75.172,116.061)
  Bottom Layer w0.4: C27.2@5.821,41.361 2.507,41.361 1.034,39.888 1.034,35.741 1.822,34.953 3.665,34.953 C25.1@5.144,36.432 5.144,36.633 6.506,37.995 7.523,37.995 9.159,39.631 C29.2@12.256,39.631 12.265,39.622 v2(14.813,39.622) ; v1(75.172,116.061) 81.581,116.061 82.769,117.249 R48.2@82.769,117.255 ; R48.2@82.769,117.693 82.769,118.141 83.562,118.934 113.457,118.934 116.396,115.995 C32.1@116.396,107.552 C30.2@116.396,103.845 C33.2@109.961,103.845
pads on no net: U2.6 U2.13 U2.17 U2.18 U2.26 U5.12 U5.13 U5.33 U5.34

## Polygon pours and split planes (outlines as drawn)
GND on Bottom Layer "BottomLayer" (hatched 90Degree grid 1 track 0.5, remove dead copper, pour order 1000): 119,145 0,145 0,0 119,0 119,145
GND on Top Layer "TopLayer" (hatched 90Degree grid 1 track 0.5, pour order 1001): 119,145 0,145 0,0 119,0 119,145

## Keep-outs
Keep-Out Layer:
  region: 3,139.7 cw(c3,142) 0.7,142 cw(c3,142) 3,144.3 cw(c3,142) 5.3,142 cw(c3,142)
  region: 116,139.7 cw(c116,142) 113.7,142 cw(c116,142) 116,144.3 cw(c116,142) 118.3,142 cw(c116,142)
  region: 116,0.7 cw(c116,3) 113.7,3 cw(c116,3) 116,5.3 cw(c116,3) 118.3,3 cw(c116,3)
  region: 3,0.7 cw(c3,3) 0.7,3 cw(c3,3) 3,5.3 cw(c3,3) 5.3,3 cw(c3,3)
  lines w0.254: 0,0 119,0 119,145 0,145 0,0

## Other copper
Top Layer:
  text "PROG" at 75.025,142.925 h1.52 r270
  text "XBEE" at 48.339,137.339 h1.52 r90
  text "INC" at 93.525,136.725 h1.52 r270
  text "DEC" at 98.525,136.725 h1.52 r270
  text "SPK" at 103.525,136.725 h1.52 r270
  text "GND" at 108.525,136.725 h1.52 r270
  text "IN 12V" at 7.725,134.728 h1.52
Bottom Layer:
  text "2" at 74.337,61.528 h1.52
  text "1" at 74.062,58.903 h1.52
  text "0" at 74.362,56.303 h1.52
  text "MODULO A" at 33.411,13.835 h1.52
  text "MODULO B" at 54.747,13.835 h1.52
  text "MODULO C" at 76.083,13.835 h1.52
  text "MODULO D" at 97.419,13.835 h1.52

## Silkscreen, mask and mechanical layers (free items; w line width, h text height)
Top Solder:
  region: 3,139.7 cw(c3,142) 0.7,142 cw(c3,142) 3,144.3 cw(c3,142) 5.3,142 cw(c3,142)
  region: 116,139.7 cw(c116,142) 113.7,142 cw(c116,142) 116,144.3 cw(c116,142) 118.3,142 cw(c116,142)
  region: 116,0.7 cw(c116,3) 113.7,3 cw(c116,3) 116,5.3 cw(c116,3) 118.3,3 cw(c116,3)
  region: 3,0.7 cw(c3,3) 0.7,3 cw(c3,3) 3,5.3 cw(c3,3) 5.3,3 cw(c3,3)
Bottom Solder:
  region: 3,139.7 cw(c3,142) 0.7,142 cw(c3,142) 3,144.3 cw(c3,142) 5.3,142 cw(c3,142)
  region: 116,139.7 cw(c116,142) 113.7,142 cw(c116,142) 116,144.3 cw(c116,142) 118.3,142 cw(c116,142)
  region: 116,0.7 cw(c116,3) 113.7,3 cw(c116,3) 116,5.3 cw(c116,3) 118.3,3 cw(c116,3)
  region: 3,0.7 cw(c3,3) 0.7,3 cw(c3,3) 3,5.3 cw(c3,3) 5.3,3 cw(c3,3)
Outline:
  the board outline again, w0.254
Mechanical 15:
  lines w0.254: 0.429,154.831 0.429,155.339 ; 1.953,154.577 0.429,155.085 ; 1.953,155.593 0.429,155.085 ; 54.317,155.085 0.429,155.085 ; 65.54,155.085 119.429,155.085 ; 117.905,154.577 119.429,155.085 ; 117.905,155.593 119.429,155.085 ; 119.429,154.831 119.429,155.339 ; 154.973,1.418 155.481,-0.106 ; 154.973,143.37 155.481,144.894 ; 155.227,-0.106 155.735,-0.106 ; 155.227,144.894 155.735,144.894 ; 155.481,66.655 155.481,-0.106 ; 155.481,78.132 155.481,144.894 ; 155.989,1.418 155.481,-0.106 ; 155.989,143.37 155.481,144.894
  text "119 (mm)" at 54.571,154.171 h1.52
  text "145 (mm)" at 156.395,66.909 h1.52 r90